# Altium PCB ALTIUM_{TEX139}_HV-1PH-DCAC-R3.PcbDoc (part 1 of 3)
Units mil, origin at the board's own origin, x right, y up, seen from the top; angles counter-clockwise.
Board outline 11236.22 x 7400 mil, 2 copper layers (Top Layer, Bottom Layer); 251 components, 161 nets, 894 pads, 401 vias.
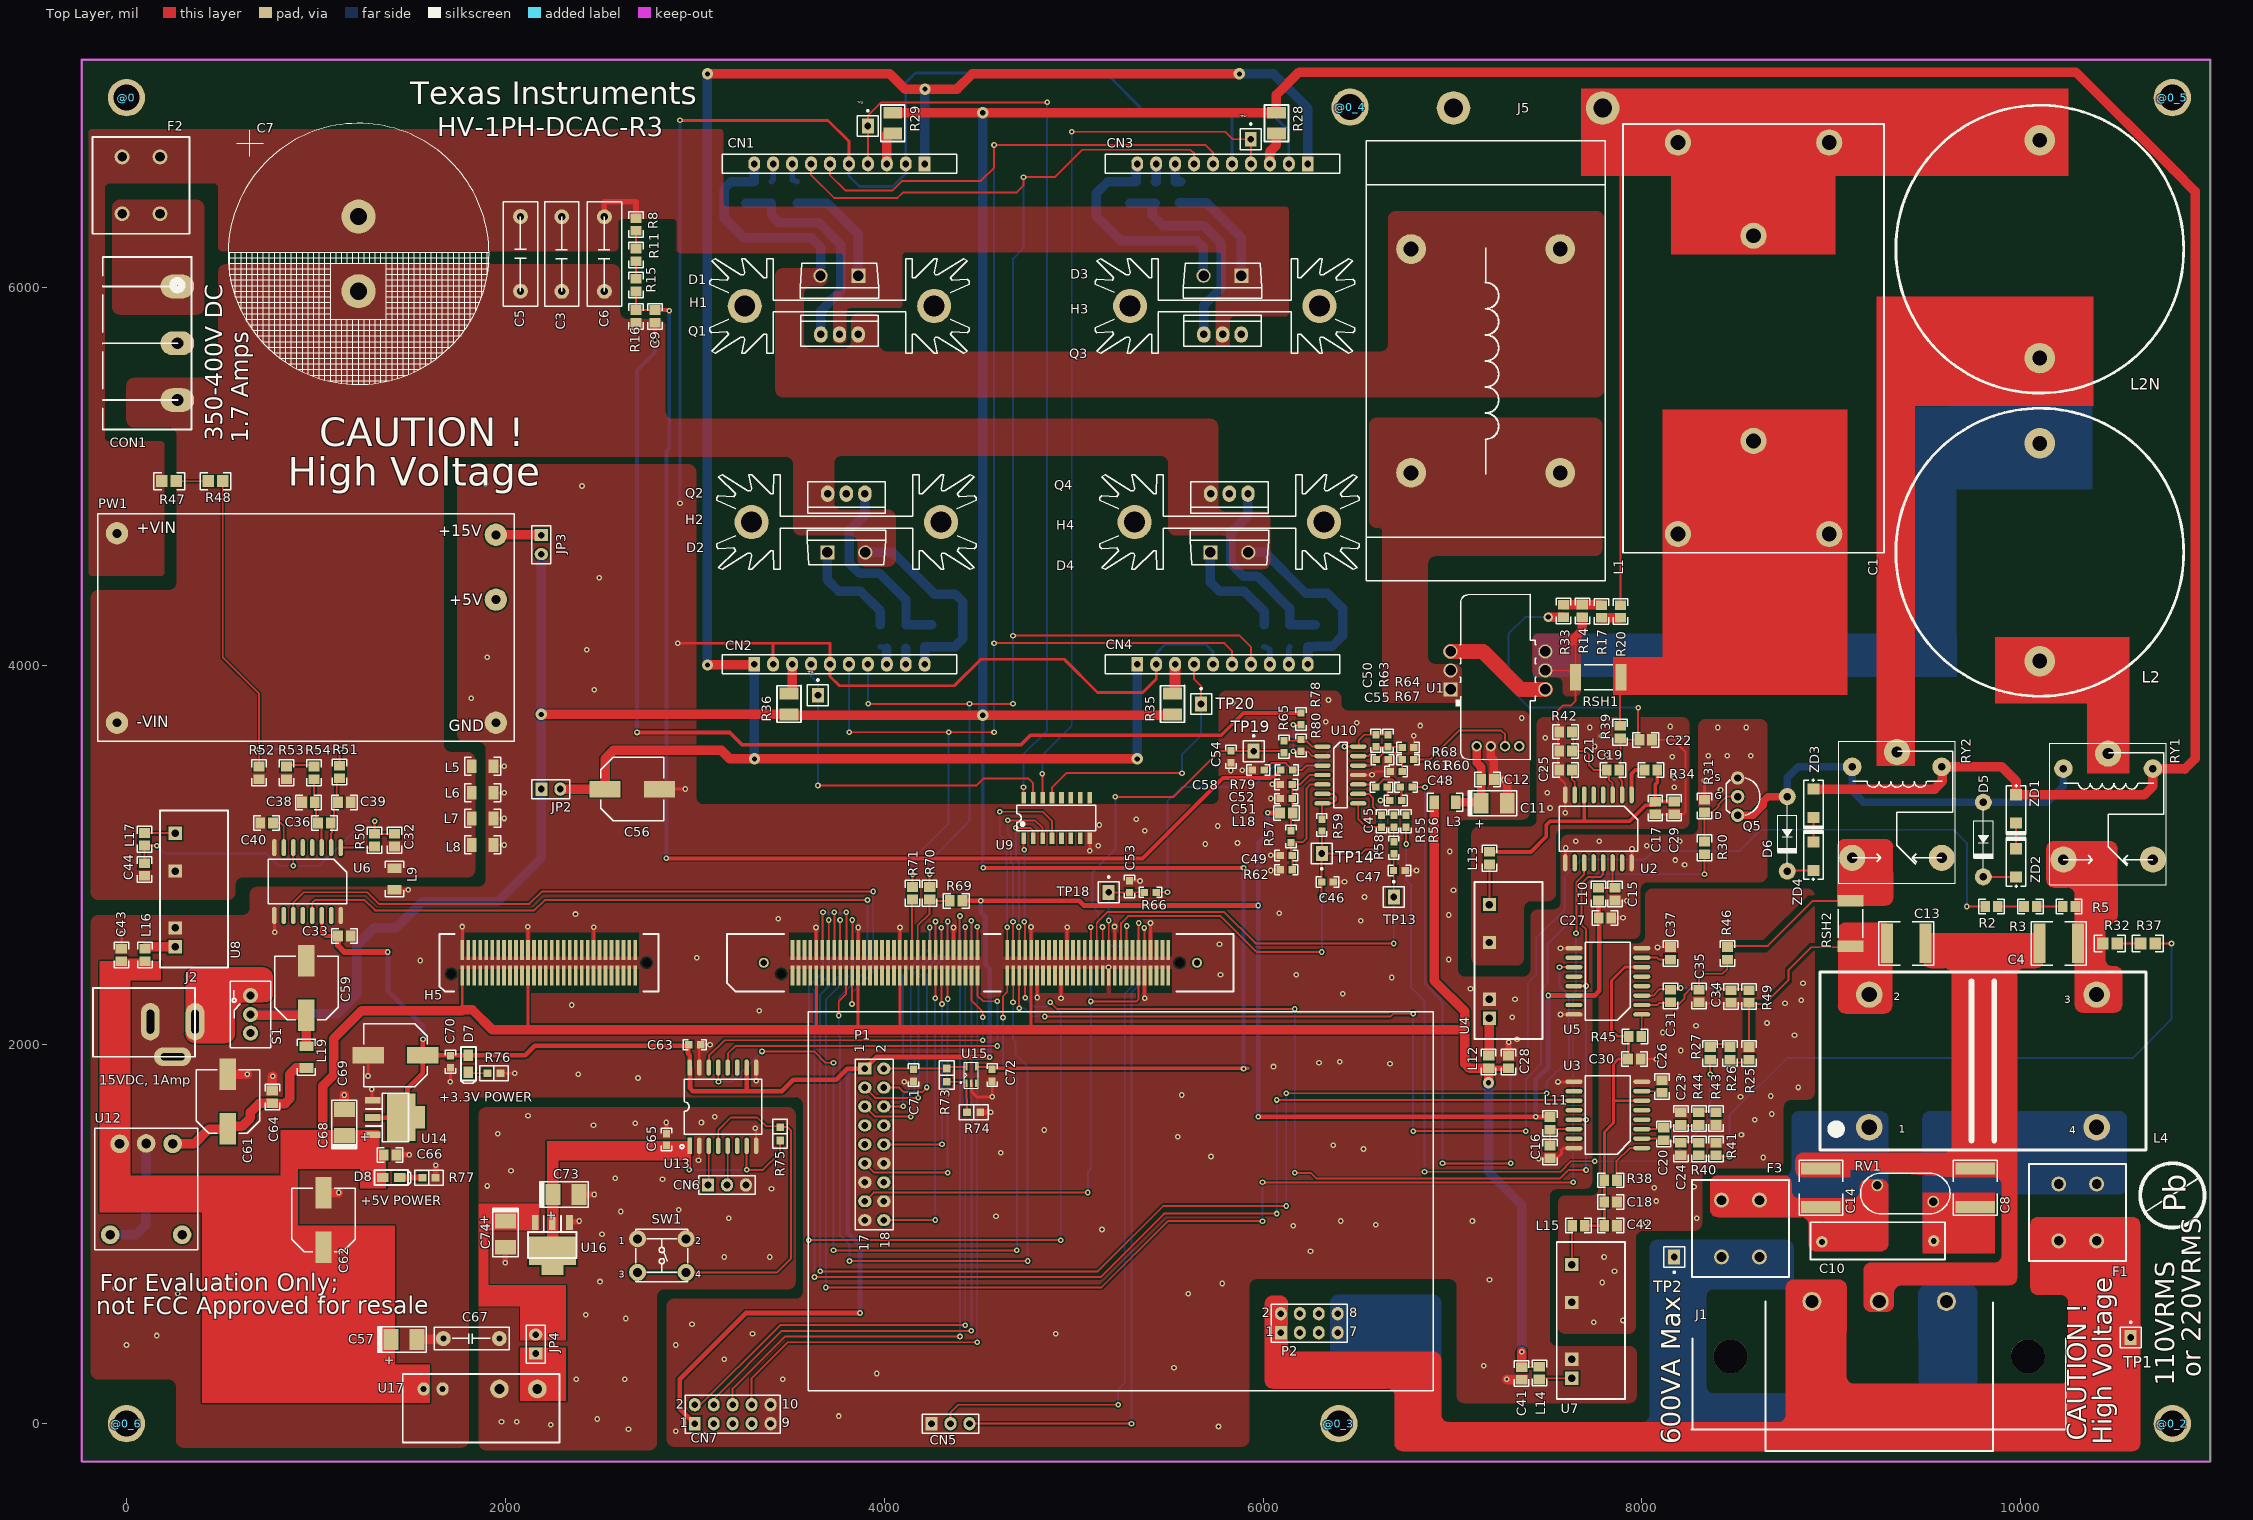
[diagram p0: Top Layer view]
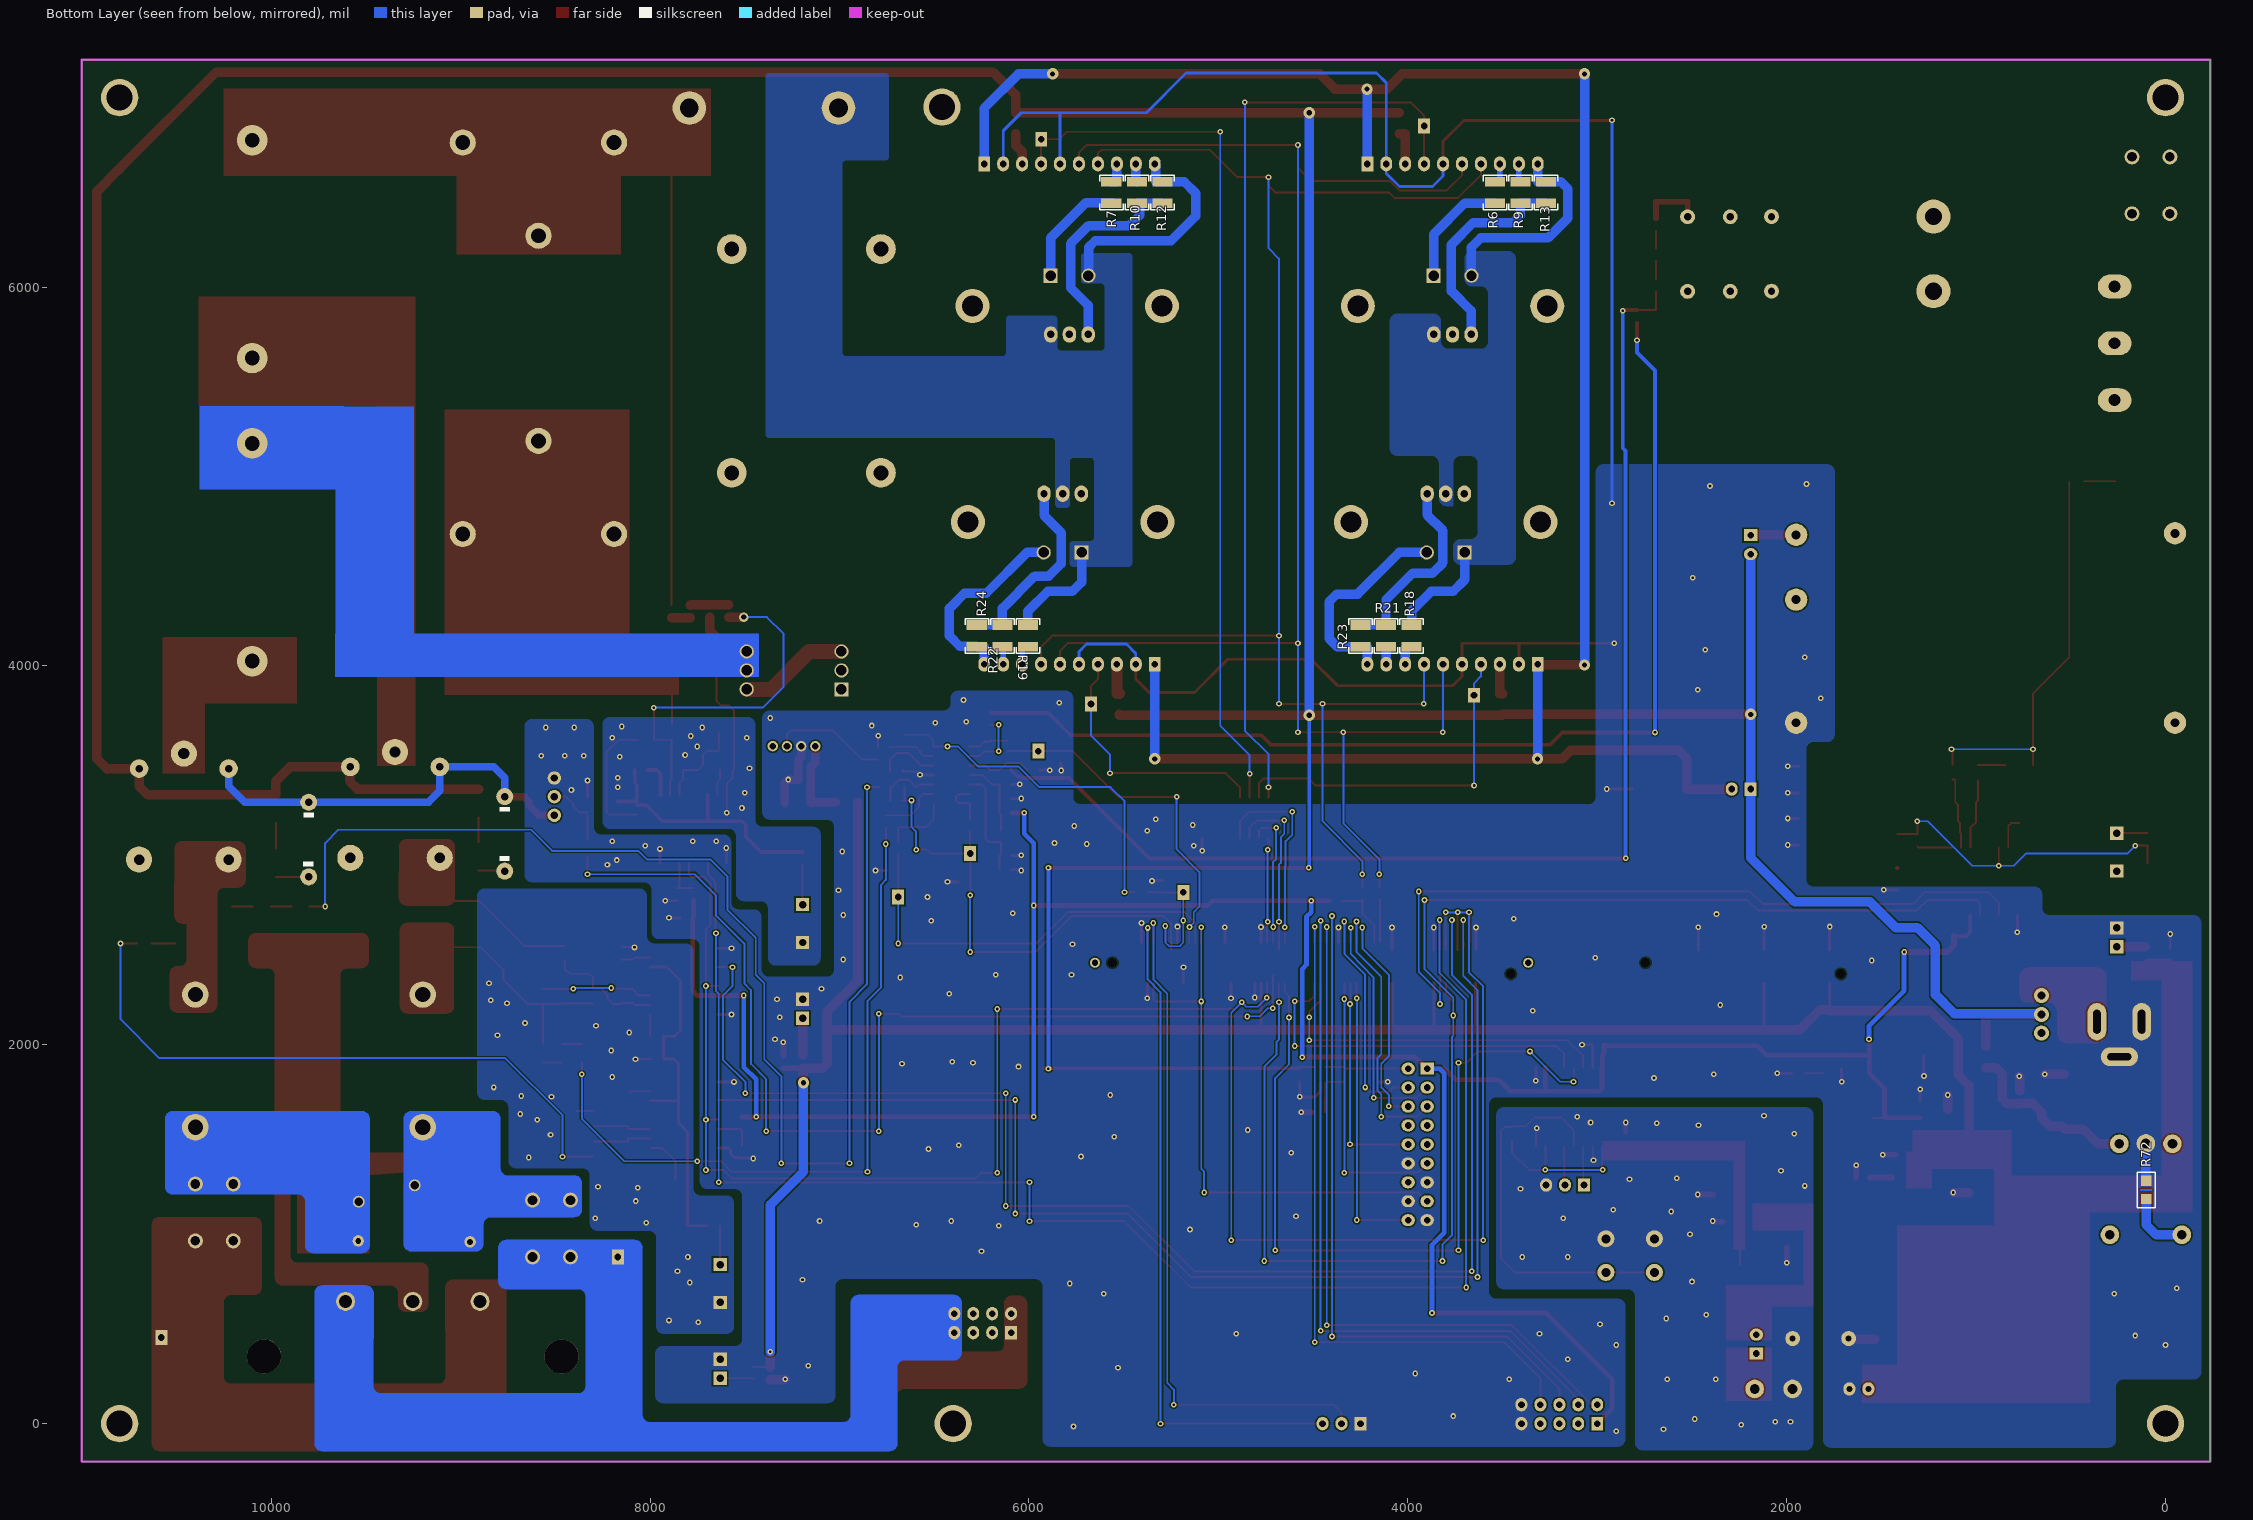
[diagram p1: Bottom Layer view, seen from below]

## Layer stack, top to bottom
Top Solder: solder mask 0.4, Solder Resist, Dk 3.5
Top Layer: signal copper 1.4
Dielectric1: dielectric 12.6, FR-4, Dk 4.8
Bottom Layer: signal copper 1.4
Bottom Solder: solder mask 0.4, Solder Resist, Dk 3.5

## Board outline
-236.22,-200 11000,-200 11000,7200 -236.22,7200

## Design rules (kind name [scope] priority, off if disabled: settings)
Clearance "'Default' PADS rule_18" [All] p1: gap=8
Clearance "'Default' PADS rule_15" [IsVia vs IsVia] p2: gap=6
ComponentClearance "'Default' PADS rule_12" [All] p1: gap=10 collisioncheckmode=3 verticalgap=10 showdistances=FALSE
FlightTimeFalling "'Default' PADS rule_10" [All] p1: maximum=10.00
FlightTimeRising "'Default' PADS rule_9" [All] p1: maximum=10.00
Length "'Default' PADS rule_5" [All] p1: maxlimit=50000 minlimit=0
MatchedLengths "'Default' PADS rule_11" [InNetClass('All Nets')] p1: tolerance=200 checknetsindiffpair=TRUE checkdiffpairvsdiffpair=TRUE checkothers=TRUE
MaxMinImpedance "'Default' PADS rule_8" [All] p1: minimum=50.00 maximum=150.0
MinimumSolderMaskSliver [All] p1: minsoldermaskwidth=6
ParallelSegment "'Default' PADS rule_7" [All] p1: limit=1000 gap=200
ParallelSegment "'Default' PADS rule_6" [All] p2: limit=1000 gap=200
PasteMaskExpansion [All] p1: expansion=3
PlaneClearance "'Default' PADS rule_14" [All] p1: clearance=20
PlaneConnect "Power Plane Connect Style - pads with no thermal" [(Name='@0-1') Or (Name='@0_2-1') Or (Name='@0_3-1') Or (Name='@0_4-1') Or (Name='@0_5-1') Or (Name='@0_6-1') Or (Name='CN7-3') Or (Name='CN7-5') Or (Name='CN7-7') Or (Name='CON1-2') Or (Name='H1-0') Or (Name='H1-0/2') Or (Name='H2-0') Or (Name='H2-0/2') Or (Name='H3-0') Or (Name='H3-0/2') Or (Name='H4-0') Or (Name='H4-0/2') Or (Name='H5-181') Or (Name='H5-182') Or (Name='H5-183') Or (Name='H5-184') Or (Name='H5-185') Or (Name='H5-186') Or (Name='J1-4') Or (Name='J1-5') Or (Name='P1-7') Or (Name='P1-8') Or (Name='P1-9') Or (Name='P1-14') Or (Name='P2-3') Or (Name='P2-4') Or (Name='P2-5') Or (Name='P2-6') Or (Name='PW1-6') Or (Name='RY1-4') Or (Name='RY2-4') Or (Name='S1-3') Or (Name='U12-5')] p1: planeconnectstyle=NoConnect reliefexpansion=20 reliefentries=4 reliefconductorwidth=10 reliefairgap=10 // PAD - No Thermal Connect Rule
PlaneConnect "Power Plane Connect Style - Via from round thru-hole global defaults" [IsVia] p2: planeconnectstyle=Direct reliefexpansion=20 reliefentries=4 reliefconductorwidth=25 reliefairgap=10
PlaneConnect "Power Plane Connect Style - Round thru-hole pad from global defaults" [IsPad And OnMultiLayer And (PadShape_MidLayer1 = 'Round') And (PadXSize_MidLayer1 = PadYSize_MidLayer1)] p3: planeconnectstyle=Direct reliefexpansion=20 reliefentries=4 reliefconductorwidth=25 reliefairgap=10
PlaneConnect "Power Plane Connect Style - Square thru-hole pad from global defaults" [IsPad And OnMultiLayer And ((PadShape_MidLayer1 = 'Rectangular') Or (PadShape_MidLayer1 = 'Octagonal') Or (PadShape_MidLayer1 = 'Rounded Rectangle')) And (PadXSize_MidLayer1 = PadYSize_MidLayer1)] p4: planeconnectstyle=Direct reliefexpansion=20 reliefentries=4 reliefconductorwidth=25 reliefairgap=10
PlaneConnect "Power Plane Connect Style - Rect thru-hole pad from global defaults" [IsPad And OnMultiLayer And ((PadShape_MidLayer1 = 'Rectangular') Or (PadShape_MidLayer1 = 'Octagonal') Or (PadShape_MidLayer1 = 'Rounded Rectangle')) And (PadXSize_MidLayer1 <> PadYSize_MidLayer1)] p5: planeconnectstyle=Direct reliefexpansion=20 reliefentries=4 reliefconductorwidth=25 reliefairgap=10
PlaneConnect "Power Plane Connect Style - Square-rect thru-hole pad from global defaults" [IsPad And OnMultiLayer And (PadShape_MidLayer1 = 'Rounded Rectangle') And (PadXSize_MidLayer1 = PadYSize_MidLayer1) And (Pad_CornerRadius_MidLayer1 = '0%')] p6: planeconnectstyle=Direct reliefexpansion=20 reliefentries=4 reliefconductorwidth=25 reliefairgap=10
PlaneConnect "Power Plane Connect Style - Oval thru-hole pad from global defaults" [IsPad And OnMultiLayer And (PadShape_MidLayer1 = 'Round') And (PadXSize_MidLayer1 <> PadYSize_MidLayer1)] p7: planeconnectstyle=Direct reliefexpansion=20 reliefentries=4 reliefconductorwidth=25 reliefairgap=10
PlaneConnect "Power Plane Connect Style - Round-oval thru-hole pad from global defaults" [IsPad And OnMultiLayer And (PadShape_MidLayer1 = 'Rounded Rectangle') And (PadXSize_MidLayer1 = PadYSize_MidLayer1) And (Pad_CornerRadius_MidLayer1 = '100%')] p8: planeconnectstyle=Direct reliefexpansion=20 reliefentries=4 reliefconductorwidth=25 reliefairgap=10
PolygonConnect "Polygon Connect Style - Bottom Layer Round SMD from global defaults" [IsSMTPin And (PadShape_BottomLayer = 'Round') And (PadXSize_BottomLayer = PADYSize_BottomLayer) vs Layer = 'Bottom Layer'] p1: connectstyle=Direct reliefconductorwidth=25 reliefentries=4 polygonreliefangle="45 Angle" airgapwidth=10
PolygonConnect "Polygon Connect Style - Top Layer Round SMD from global defaults" [IsSMTPin And (PadShape_TopLayer = 'Round') And (PadXSize_TopLayer = PADYSize_TopLayer) vs Layer = 'Top Layer'] p2: connectstyle=Direct reliefconductorwidth=25 reliefentries=4 polygonreliefangle="45 Angle" airgapwidth=10
PolygonConnect "Polygon Connect Style - Bottom Layer Square SMD from global defaults 1" [IsSMTPin And (PadShape_BottomLayer = 'Rectangular') And (PadXSize_BottomLayer = PADYSize_BottomLayer) vs Layer = 'Bottom Layer'] p3: connectstyle=Direct reliefconductorwidth=25 reliefentries=4 polygonreliefangle="45 Angle" airgapwidth=10
PolygonConnect "Polygon Connect Style - Bottom Layer Square SMD from global defaults 2" [IsSMTPin And (PadShape_BottomLayer = 'Octagonal') And (PadXSize_BottomLayer = PADYSize_BottomLayer) vs Layer = 'Bottom Layer'] p4: connectstyle=Direct reliefconductorwidth=25 reliefentries=4 polygonreliefangle="45 Angle" airgapwidth=10
PolygonConnect "Polygon Connect Style - Bottom Layer Square SMD from global defaults 3" [IsSMTPin And (PadShape_BottomLayer = 'Rounded Rectangle') And (PadXSize_BottomLayer = PADYSize_BottomLayer) vs Layer = 'Bottom Layer'] p5: connectstyle=Direct reliefconductorwidth=25 reliefentries=4 polygonreliefangle="45 Angle" airgapwidth=10
PolygonConnect "Polygon Connect Style - Top Layer Square SMD from global defaults 1" [IsSMTPin And (PadShape_TopLayer = 'Rectangular') And (PadXSize_TopLayer = PADYSize_TopLayer) vs Layer = 'Top Layer'] p6: connectstyle=Direct reliefconductorwidth=25 reliefentries=4 polygonreliefangle="45 Angle" airgapwidth=10
PolygonConnect "Polygon Connect Style - Top Layer Square SMD from global defaults 2" [IsSMTPin And (PadShape_TopLayer = 'Octagonal') And (PadXSize_TopLayer = PADYSize_TopLayer) vs Layer = 'Top Layer'] p7: connectstyle=Direct reliefconductorwidth=25 reliefentries=4 polygonreliefangle="45 Angle" airgapwidth=10
PolygonConnect "Polygon Connect Style - Top Layer Square SMD from global defaults 3" [IsSMTPin And (PadShape_TopLayer = 'Rounded Rectangle') And (PadXSize_TopLayer = PADYSize_TopLayer) vs Layer = 'Top Layer'] p8: connectstyle=Direct reliefconductorwidth=25 reliefentries=4 polygonreliefangle="45 Angle" airgapwidth=10
PolygonConnect "Polygon Connect Style - Bottom Layer Rect SMD from global defaults 1" [IsSMTPin And (PadShape_BottomLayer = 'Rectangular') And (PadXSize_BottomLayer <> PADYSize_BottomLayer) vs Layer = 'Bottom Layer'] p9: connectstyle=Direct reliefconductorwidth=25 reliefentries=4 polygonreliefangle="45 Angle" airgapwidth=10
PolygonConnect "Polygon Connect Style - Bottom Layer Rect SMD from global defaults 2" [IsSMTPin And (PadShape_BottomLayer = 'Octagonal') And (PadXSize_BottomLayer <> PADYSize_BottomLayer) vs Layer = 'Bottom Layer'] p10: connectstyle=Direct reliefconductorwidth=25 reliefentries=4 polygonreliefangle="45 Angle" airgapwidth=10
PolygonConnect "Polygon Connect Style - Bottom Layer Rect SMD from global defaults 3" [IsSMTPin And (PadShape_BottomLayer = 'Rounded Rectangle') And (PadXSize_BottomLayer <> PADYSize_BottomLayer) vs Layer = 'Bottom Layer'] p11: connectstyle=Direct reliefconductorwidth=25 reliefentries=4 polygonreliefangle="45 Angle" airgapwidth=10
PolygonConnect "Polygon Connect Style - Bottom Layer Square-rect SMD pad from global defaults" [IsSMTPin And (PadShape_BottomLayer = 'Rounded Rectangle') And (PadXSize_BottomLayer = PADYSize_BottomLayer) And (Pad_CornerRadius_BottomLayer = '0%') vs Layer = 'Bottom Layer'] p12: connectstyle=Direct reliefconductorwidth=25 reliefentries=4 polygonreliefangle="45 Angle" airgapwidth=10
PolygonConnect "Polygon Connect Style - Top Layer Rect SMD from global defaults 1" [IsSMTPin And (PadShape_TopLayer = 'Rectangular') And (PadXSize_TopLayer <> PADYSize_TopLayer) vs Layer = 'Top Layer'] p13: connectstyle=Direct reliefconductorwidth=25 reliefentries=4 polygonreliefangle="45 Angle" airgapwidth=10
PolygonConnect "Polygon Connect Style - Top Layer Rect SMD from global defaults 2" [IsSMTPin And (PadShape_TopLayer = 'Octagonal') And (PadXSize_TopLayer <> PADYSize_TopLayer) vs Layer = 'Top Layer'] p14: connectstyle=Direct reliefconductorwidth=25 reliefentries=4 polygonreliefangle="45 Angle" airgapwidth=10
PolygonConnect "Polygon Connect Style - Top Layer Rect SMD from global defaults 3" [IsSMTPin And (PadShape_TopLayer = 'Rounded Rectangle') And (PadXSize_TopLayer <> PADYSize_TopLayer) vs Layer = 'Top Layer'] p15: connectstyle=Direct reliefconductorwidth=25 reliefentries=4 polygonreliefangle="45 Angle" airgapwidth=10
PolygonConnect "Polygon Connect Style - Top Layer Square-rect SMD pad from global defaults" [IsSMTPin And (PadShape_TopLayer = 'Rounded Rectangle') And (PadXSize_TopLayer = PADYSize_TopLayer) And (Pad_CornerRadius_TopLayer = '0%') vs Layer = 'Top Layer'] p16: connectstyle=Direct reliefconductorwidth=25 reliefentries=4 polygonreliefangle="45 Angle" airgapwidth=10
PolygonConnect "Polygon Connect Style - Bottom Layer Oval SMD from global defaults" [IsSMTPin And (PadShape_BottomLayer = 'Round') And (PadXSize_BottomLayer <> PADYSize_BottomLayer) vs Layer = 'Bottom Layer'] p17: connectstyle=Direct reliefconductorwidth=25 reliefentries=4 polygonreliefangle="45 Angle" airgapwidth=10
PolygonConnect "Polygon Connect Style - Bottom Layer Round-oval SMD pad from global defaults" [IsSMTPin And (PadShape_BottomLayer = 'Rounded Rectangle') And (PadXSize_BottomLayer = PADYSize_BottomLayer) And (Pad_CornerRadius_BottomLayer = '100%') vs Layer = 'Bottom Layer'] p18: connectstyle=Direct reliefconductorwidth=25 reliefentries=4 polygonreliefangle="45 Angle" airgapwidth=10
PolygonConnect "Polygon Connect Style - Top Layer Oval SMD from global defaults" [IsSMTPin And (PadShape_TopLayer = 'Round') And (PadXSize_TopLayer <> PADYSize_TopLayer) vs Layer = 'Top Layer'] p19: connectstyle=Direct reliefconductorwidth=25 reliefentries=4 polygonreliefangle="45 Angle" airgapwidth=10
PolygonConnect "Polygon Connect Style - Top Layer Round-oval SMD pad from global defaults" [IsSMTPin And (PadShape_TopLayer = 'Rounded Rectangle') And (PadXSize_TopLayer = PADYSize_TopLayer) And (Pad_CornerRadius_TopLayer = '100%') vs Layer = 'Top Layer'] p20: connectstyle=Direct reliefconductorwidth=25 reliefentries=4 polygonreliefangle="45 Angle" airgapwidth=10
PolygonConnect "Polygon Connect Style - Via from round thru-hole global defaults_19" [IsVia] p21: connectstyle=Direct reliefconductorwidth=25 reliefentries=4 polygonreliefangle="45 Angle" airgapwidth=10
PolygonConnect "Polygon Connect Style - Bottom Layer Round thru-hole pad from global defaults" [IsPad And OnMultiLayer And (PadShape_BottomLayer = 'Round') And (PadXSize_BottomLayer = PADYSize_BottomLayer) vs Layer = 'Bottom Layer'] p22: connectstyle=Direct reliefconductorwidth=25 reliefentries=4 polygonreliefangle="45 Angle" airgapwidth=10
PolygonConnect "Polygon Connect Style - Via from round thru-hole global defaults" [IsVia] p23: connectstyle=Direct reliefconductorwidth=25 reliefentries=4 polygonreliefangle="45 Angle" airgapwidth=10
PolygonConnect "Polygon Connect Style - Top Layer Round thru-hole pad from global defaults" [IsPad And OnMultiLayer And (PadShape_TopLayer = 'Round') And (PadXSize_TopLayer = PADYSize_TopLayer) vs Layer = 'Top Layer'] p24: connectstyle=Direct reliefconductorwidth=25 reliefentries=4 polygonreliefangle="45 Angle" airgapwidth=10
PolygonConnect "Polygon Connect Style - Bottom Layer Square thru-hole pad from global defaults" [IsPad And OnMultiLayer And ((PadShape_BottomLayer = 'Rectangular') Or (PadShape_BottomLayer = 'Octagonal') Or (PadShape_BottomLayer = 'Rounded Rectangle')) And (PadXSize_BottomLayer = PADYSize_BottomLayer) vs Layer = 'Bottom Layer'] p25: connectstyle=Direct reliefconductorwidth=25 reliefentries=4 polygonreliefangle="45 Angle" airgapwidth=10
PolygonConnect "Polygon Connect Style - Top Layer Square thru-hole pad from global defaults" [IsPad And OnMultiLayer And ((PadShape_TopLayer = 'Rectangular') Or (PadShape_TopLayer = 'Octagonal') Or (PadShape_TopLayer = 'Rounded Rectangle')) And (PadXSize_TopLayer = PADYSize_TopLayer) vs Layer = 'Top Layer'] p26: connectstyle=Direct reliefconductorwidth=25 reliefentries=4 polygonreliefangle="45 Angle" airgapwidth=10
PolygonConnect "Polygon Connect Style - Bottom Layer Rect thru-hole pad from global defaults" [IsPad And OnMultiLayer And ((PadShape_BottomLayer = 'Rectangular') Or (PadShape_BottomLayer = 'Octagonal') Or (PadShape_BottomLayer = 'Rounded Rectangle')) And (PadXSize_BottomLayer <> PADYSize_BottomLayer) vs Layer = 'Bottom Layer'] p27: connectstyle=Direct reliefconductorwidth=25 reliefentries=4 polygonreliefangle="45 Angle" airgapwidth=10